# KiCad board Ethernet_switch_4out.kicad_pcb (continued)
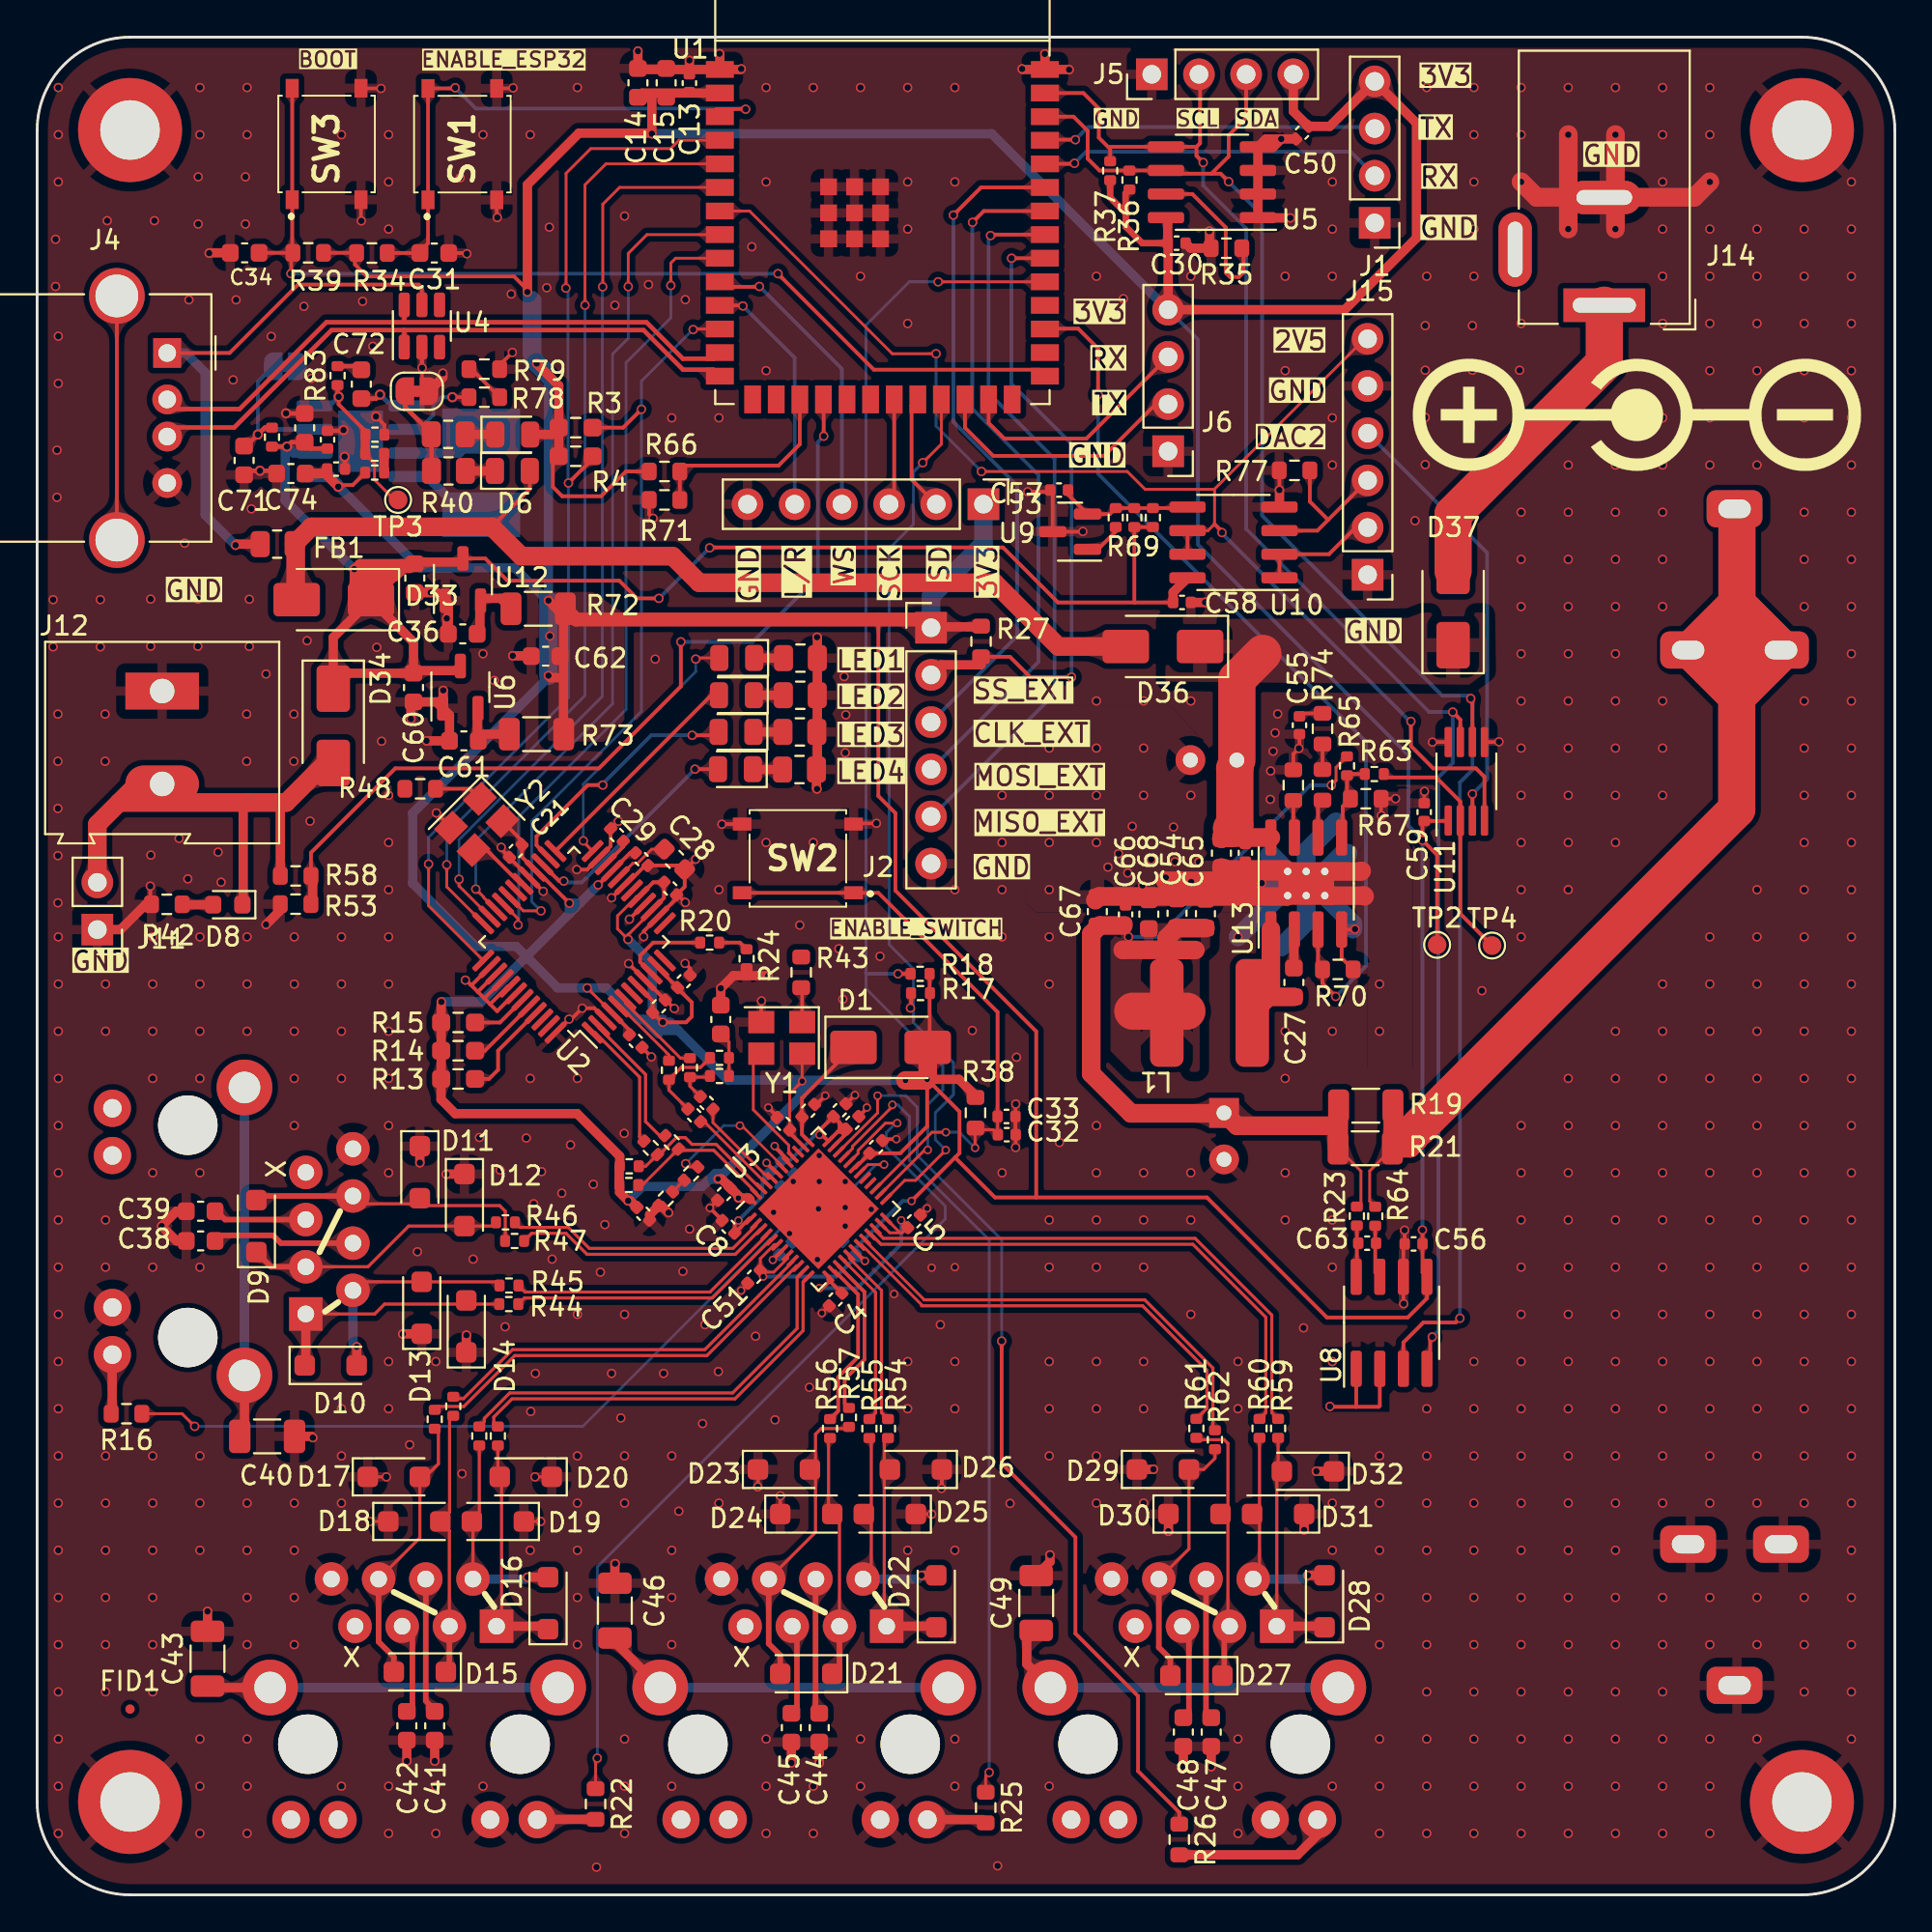
[diagram p0: board, top side]
## Routing (per net, layer and track width the routed paths; a pad name or vN(x,y) marks a point on that pad's centre or on a via; arc(x,y) is an arc through that point) (continued)
  Bottom w1: J3.1 50.94,72.73 48.12,69.91 J2.1 ; v1(27.52,65.63) v1(27.52,69.67)
  vias: v1(27.6,67.76)
+5V: length 54.7
  Top w0.2: 24.48,73.64 26.52,75.68 D6.2
  Top w1: D33.2 13.92,69.77 13.92,72.62 FB1.1 14.76,73.64 24.48,73.64 26.06,72.06 34.21,72.06 35.64,70.63 51.54,70.63 54.97,67.2 D36.2
/2V5_RAW: length 7.3
  Top w0.2: 61.92,74.7 61.87,74.65 R32.2 57.74,74.33 U9.2 55.49,75.38 C57.2
/Cell/Vin_buck: length 13.1
  Top w1: 66.41,56.92 63.81,56.92 C53.1 64.29,57.39
  Top w2: 65.98,66.83 64.58,65.43 C64.1 ; 64.29,57.39 64.47,57.57 64.47,60.61 64.46,60.62
GND: length 266.8
  Top w0.166: D18.1 v1(17.9,20.1) ; D20.1 v1(26.8,22.5) ; D17.1 v1(18.8,22.5) ; JP1.1 20.72,81.31 v1(20.72,82.2) ; D19.1 v1(27.1,20.1)
  Top w0.2: v1(25.62,97.27) 25.59,97.24 SW1.2 ; C10.1 45.58,40.68 v2(46.25,40.68) ; C17.1 34.42,53.64 33.43,52.65 U2.14 32.65,51.87 v1(32.65,51.58) ; C17.1 34.48,53.83 v1(34.89,53.42) ; C17.1 34.86,54.27 C28.1 ; v1(66.87,75.62) 66.87,76.67 R77.2 ; D24.1 40,21.47 v1(40.01,21.48) ; v2(42.42,43.02) 41.95,42.55 C16.1 ; Y1.2 38.98,48.11 v1(38.99,48.12) ; v1(30.92,53.67) 31.67,54.42 U2.19 31.74,54.42 32.73,55.41 C18.1 34.64,55.41 C28.1 ; 22.24,88.38 23.09,88.38 v1(23.13,88.34) ; R80.1 18.69,79.12 v3(18.24,79.58) ; v1(78.69,62.07) 78.68,62.06 77.91,62.06 ; v1(35.45,55.75) 34.89,55.19 C28.1 ; R76.2 67.62,61.42 v1(67.92,61.72) 67.95,61.75 C55.2 ; v1(29.05,55.19) 29.61,55.19 U2.23 30.87,56.45 C29.1 30.89,57.39 v1(31.29,57.79) ; U2.42 25.72,48.53 24.76,47.57 24.38,47.95 ; v2(44.02,43.05) 44.01,43.05 C6.1 ; C11.1 39.83,41.91 v2(39.36,42.38) ; v1(74.68,59.4) 74.67,59.39 C59.1 ; 71,26.27 69.61,26.27 v1(69.59,26.29) ; 71,26.27 72.22,26.27 72.28,26.33 72.28,28.32 ; 71,26.27 71,26.28 U8.1 ; 75.96,62.06 75.11,62.06 v1(75.11,62.05) ; v1(72.36,58.09) 72.34,58.11 R67.2 73.11,59 v1(73.12,59.01) ; v1(48.68,21.88) 48.7,21.9 D26.1 ; U2.16 32.72,53.36 v1(31.88,52.52) ; 23.72,48.61 23.33,49 ; 23.72,48.61 24.07,48.26 ; 23.72,48.61 24.7,49.59 U2.39 ; 23.33,49 23.33,49.01 23.43,49.01 U2.38 ; 23.33,49 23.09,49.24 v1(23.05,49.24) ; v1(56.29,73.39) 56.28,73.38 U9.3 54.67,75.48 C57.1 54.44,75.53 v1(53.32,75.53) ; U2.40 25.05,49.24 24.07,48.26 ; v1(18.51,97.24) 17.44,97.24 SW3.2 ; v2(37.89,32.53) 38.25,32.89 C51.1 ; U2.41 25.32,48.89 24.38,47.95 ; v1(6.09,54.3) 6.09,53.39 6.16,53.32 ; 24.07,48.26 24.38,47.95 ; v1(31.84,50.13) 31.84,50.13 U2.9 32.74,49.24 C20.1 33.84,48.17 v1(34.3,47.71) ; v1(52.67,40.23) 52.67,40.23 C32.1 52.66,40.94 C33.1 52.66,42.55 v1(52.68,42.57) ; v1(33.16,74.1) 32.94,74.31 R71.2 ; v1(27.24,54.02) U2.29 25.42,55.84 C21.1 24.98,56.29 v1(24.98,56.39) ; v2(47.91,36.95) 47.55,36.6 ; v1(25.58,83.03) 24.89,82.34 R79.2 ; v1(33.06,45.11) 32.56,45.61 C19.1 ; v1(17.45,90.11) 17.43,90.13 SW3.2 ; v1(45.18,57.68) 43.99,57.68 SW2.2 ; C3.1 44.66,42.33 v2(44.66,42.38) ; C4.1 42.63,31.71 v2(42.24,31.32) ; Y2.2 22.28,57.45 v1(21.49,58.24) ; v1(36.86,57.63) 36.87,57.64 SW2.2 ; U2.48 v1(28.63,47.14) 28.75,47.14 v1(29.34,47.73) 30,47.73 U2.3 ; R70.2 70.22,50.44 U13.4 70.92,51.97 v1(70.94,51.98) ; SW1.2 24.74,90.32 v1(24.77,90.29) ; D23.1 38.8,21.97 v1(38.79,21.96) ; v1(48.15,20.49) 48.14,20.5 D25.1 ; C8.1 36.87,36.32 v2(36.21,36.98) 36.62,37.39 C12.1 ; v1(73.56,31.82) 73.55,31.83 U8.6 73.55,34.97 C56.1 73.61,35.78 v1(73.61,35.78) ; v1(34.88,50.14) 35.15,49.87 C22.1
  Top w0.242: U4.2 20.71,82.21 v1(20.72,82.2) ; C70.2 13.41,79.75 v3(13.4,79.75) ; v3(16.55,77.42) 16.57,77.4 C73.1 ; C74.2 12.73,76.66 v3(11.99,76.66) 11.36,76.66 C71.2 ; C37.1 16.45,78.81 v3(16.49,78.85)
  Top w0.5: 40.6,8.14 v1(40.6,7.1) ; D30.1 60.9,19.58 v1(60.89,19.57) ; v1(31.11,17.83) 31.1,17.82 C46.2 ; v1(41.98,67.7) 42,67.68 R31.2 42,60.63 R28.2 41.95,59.56 v1(41.98,59.53) ; D14.1 23.1,30.12 v1(23.11,30.13) ; D11.1 v1(20.6,39.41) ; v1(19.68,30.19) 19.69,30.2 D13.1 ; v1(32.34,99.25) C14.2 32.39,98.26 U1.1 ; v1(20.12,63.3) 20.12,64.08 20.26,64.22 21.49,64.22 U6.1 ; v1(66.87,75.62) 66.88,75.61 U10.4 ; 65.72,94.09 66.55,94.09 v1(66.97,94.52) ; 65.72,94.09 66.14,94.52 C50.1 ; 65.72,94.09 65.72,90.28 65.73,90.27 v1(67.46,90.27) ; 10.31,88.39 9.28,88.39 v1(9.26,88.37) ; C26.1 v1(36.8,48.8) 37.48,49.48 39.33,49.48 v1(39.35,49.46) ; v1(33.99,36.72) 33.59,37.12 R11.1 32.97,36.61 C25.1 ; v1(14.84,24.61) 14.77,24.68 C40.2 ; C30.1 62.09,88.64 63.11,88.64 63.11,89.55 v1(63.1,89.56) ; D31.1 v1(68.2,19.64) ; v1(54.52,18.3) 54.52,17.93 C49.2 ; D29.1 60.08,22.9 v1(60.09,22.91) ; JP1.1 21.84,81.69 v1(21.84,81.91) ; D12.1 22.04,38.8 v1(22.03,38.79) ; U1.40 55.54,98.26 v1(55.55,98.25) ; U1.40 54.25,99.09 v1(54.24,99.1) ; U1.40 53.05,98.26 v1(53.02,98.29) ; U1.1 37.87,98.26 v1(37.9,98.29) ; U1.1 36.75,99.09 v1(36.73,99.11) ; 61.7,7.9 v1(61.7,6.9) ; 6.16,53.32 5.84,53.32 4.48,51.96 J11.1 ; v1(25.6,66.7) 26.58,66.7 C62.2 ; v1(21.19,70.11) C35.2 21.53,70.11 U12.1 22.14,69.5 22.14,67.88 22.05,67.97 v1(22.05,68.71) ; v1(21.86,64.84) 21.86,63.9 U6.1 ; 7.94,36.8 7.5,36.8 v1(6.7,36) 7.5,35.2 7.94,35.2 ; 19.9,8.24 v1(19.9,7.2) ; C43.2 v1(9.17,15.26) ; 13.04,53.3 13.04,52.95 v1(12.32,52.23) ; D32.1 v1(68.86,22.8) ; U6.1 22.19,63.51 C61.2 v1(20.96,62.12) ; C13.1 v1(35.11,98.75) ; C58.1 62.86,69.57 v1(62.87,69.58) ; 63.2,7.9 v1(63.2,6.9) ; 21.4,8.24 v1(21.4,7.2) ; 42.1,8.14 v1(42.1,7.1)
  Top w1: U13.9 71.42,53.79 71.46,53.75 ; 82.42,94.76 82.42,89.68 ; U13.9 67.27,53.75 57.16,53.75 56.96,53.54 ; C53.2 63.86,55.19 67.21,55.19 U13.9 65.82,55.09 65.18,54.45 65.04,54.59 60.71,54.59 ; U13.9 71.27,55.09 71.3,55.12 ; 79.88,92.22 80.72,91.38 89.2,91.38 90.04,92.22 ; 84.96,94.76 84.96,89.68
  Bottom w0.5: C2.1 40.74,38.44 v2(40.7,38.4) 40.43,38.13 C7.1
  Bottom w1: U13.9 70.3,56.07 70.57,56.07 ; U13.9 68.31,52.36 66.97,51.02 ; v1(82.42,94.75) v1(82.42,89.67) ; 70.83,51.98 70.83,52.28 U13.9 ; v1(90.04,92.21) 89.2,91.37 J14.2 80.72,91.37 v1(79.88,92.21) ; 69.92,57.77 68.31,56.17 U13.9 ; v1(65.92,54.46) 66.64,54.46 U13.9 66.86,53.79 v1(64.64,51.57) ; v1(84.96,94.75) v1(84.96,89.67) ; 66.32,55.97 66.44,55.97 U13.9
  vias: v1(0.86,69.72) v1(0.86,67.18) v1(0.99,89.12) v1(0.99,86.58) v1(1.14,97.29) v1(1.14,94.75) v1(1.14,92.21) v1(1.14,83.9) v1(1.14,81.36) v1(1.07,77.77) v1(1.07,75.23) v1(1.12,63.56) v1(1.12,61.02) v1(1.12,58.48) v1(1.12,55.94) v1(1.12,53.4) v1(1.14,51.57) v1(1.14,49.03) v1(1.14,46.49) v1(1.14,43.95) v1(1.14,41.41) v1(1.14,38.87) v1(1.14,36.33) v1(1.14,33.79) v1(1.14,31.25) v1(1.14,28.71) v1(1.14,26.17) v1(1.14,23.63) v1(1.14,21.09) v1(1.14,18.55) v1(1.14,16.01) v1(1.14,13.47) v1(1.14,10.93) v1(1.14,8.39) v1(1.14,5.85) v1(1.14,3.31) v1(3.4,69.72) v1(3.4,67.18) v1(3.66,63.56) v1(3.66,61.02) v1(3.68,49.03) v1(3.68,46.49) v1(3.68,36.33) v1(3.68,33.79) v1(3.68,23.63) v1(3.68,21.09) v1(3.68,18.55) v1(3.68,16.01) v1(3.68,13.47) v1(3.68,10.93) v1(3.77,90.12) v1(6.11,69.75) v1(6.11,67.21) v1(6.12,55.97) v1(6.22,51.57) v1(6.22,49.03) v1(6.22,46.49) v1(6.22,43.95) v1(6.22,38.87) v1(6.22,33.79) v1(6.22,23.63) v1(6.22,21.09) v1(6.22,18.55) v1(6.22,16.01) v1(6.22,13.47) v1(6.22,10.93) v1(6.31,90.12) v1(7.64,56.87) v1(7.94,72.76) v1(8.11,54.69) v1(8.17,85.86) v1(8.65,69.75) v1(8.65,67.21) v1(8.67,92.48) v1(8.67,89.94) v1(8.76,97.29) v1(8.76,94.75) v1(8.76,51.57) v1(8.76,49.03) v1(8.76,46.49) v1(8.76,43.95) v1(8.76,38.87) v1(8.76,33.79) v1(8.76,23.63) v1(8.76,21.09) v1(8.76,18.55) v1(8.76,8.39) v1(8.76,5.85) v1(8.76,3.31) v1(9.74,56.13) v1(9.9,54.51) v1(10.55,81.55) v1(10.71,85.86) v1(11.21,92.48) v1(11.21,89.94) v1(11.3,97.29) v1(11.3,94.75) v1(11.28,63.56) v1(11.28,61.02) v1(11.3,51.57) v1(11.3,49.03) v1(11.3,46.49) v1(11.3,21.09) v1(11.3,18.55) v1(11.3,16.01) v1(11.3,13.47) v1(11.3,8.39) v1(11.3,5.85) v1(11.3,3.31) v1(11.42,69.74) v1(11.42,67.2) v1(11.53,74.61) v1(12.32,65.72) v1(12.6,83.89) v1(13.82,63.56) v1(13.82,61.02) v1(13.84,51.57) v1(13.84,49.03) v1(13.84,46.49) v1(13.84,43.95) v1(13.84,41.41) v1(13.84,21.09) v1(13.84,18.55) v1(13.84,16.01) v1(13.84,13.47) v1(14.36,85.51) v1(14.53,67.51) v1(14.69,57.8) v1(14.76,81.63) v1(16.38,94.75) v1(16.38,51.57) v1(16.38,49.03) v1(16.38,46.49) v1(16.38,43.95) v1(16.38,26.17) v1(16.38,23.63) v1(16.38,21.09) v1(16.38,5.85) v1(17.52,85.78) v1(18.07,83.36) v1(18.28,67.15) v1(18.54,62.1) v1(18.92,94.75) v1(18.92,92.21) v1(18.92,89.67) v1(18.92,59.19) v1(18.92,56.65) v1(18.92,54.11) v1(18.92,51.57) v1(18.92,49.03) v1(18.92,46.49) v1(18.92,43.95) v1(18.92,41.41) v1(18.92,38.87) v1(18.92,28.71) v1(18.92,26.17) v1(18.92,5.85) v1(18.92,3.31) v1(20.05,24.23) v1(20.47,34.62) v1(21.46,28.71) v1(21.46,5.85) v1(21.46,3.31) v1(22.77,92.43) v1(22.87,22.67) v1(23.47,34.22) v1(23.81,40.77) v1(24,94.75) v1(24,66.81) v1(24,5.85) v1(24.6,65.37) v1(24.92,39.01) v1(25.19,30.58) v1(25.52,86.17) v1(26.33,40.74) v1(26.54,94.75) v1(26.54,43.95) v1(26.54,18.55) v1(26.57,26.02) v1(26.73,37.2) v1(26.82,28.07) v1(27.15,38.93) v1(27.43,86.51) v1(27.57,89.77) v1(27.72,34.22) v1(28.24,37.77) v1(28.71,40.37) v1(29.08,97.29) v1(29.08,43.95) v1(29.08,31.25) v1(29.08,23.63) v1(29.08,21.09) v1(29.08,18.55) v1(29.08,16.01) v1(29.08,13.47) v1(29.94,38.25) v1(30.11,1.49) v1(30.32,33.52) v1(30.56,36.08) v1(30.92,28.07) v1(31.1,85.57) v1(31.42,25.67) v1(31.62,90.37) v1(31.6,40.99) v1(31.62,31.25) v1(31.62,23.63) v1(31.62,21.09) v1(31.62,8.39) v1(31.62,5.85) v1(31.62,3.31) v1(32.91,86.68) v1(33.27,66.52) v1(33.72,28.07) v1(34.16,79.51) v1(34.16,23.63) v1(34.16,18.55) v1(34.16,16.01) v1(34.16,13.47) v1(34.16,5.85) v1(34.54,20.65) v1(34.76,33.56) v1(34.89,85.87) v1(35.12,35.84) v1(35.82,25.37) v1(35.95,30.69) v1(36.7,79.51) v1(36.7,54.11) v1(36.67,28.17) v1(36.7,21.09) v1(38.47,88.72) v1(38.67,30.07) v1(39.24,97.29) v1(39.24,92.21) v1(39.24,82.05) v1(39.24,56.65) v1(39.24,8.39) v1(39.24,5.85) v1(39.24,3.31) v1(39.72,25.57) v1(41.05,52.2) v1(41.57,27.32) v1(41.78,97.29) v1(41.78,56.65) v1(41.78,5.85) v1(41.78,3.31) v1(43.16,50.93) v1(43.44,65.58) v1(43.37,48.21) v1(43.53,63.52) v1(43.5,61.48) v1(44.32,97.29) v1(44.32,87.13) v1(44.32,8.39) v1(44.32,5.85) v1(45.37,50.52) v1(46.86,97.29) v1(46.86,92.21) v1(46.86,89.67) v1(46.86,84.59) v1(46.86,28.71) v1(46.86,26.17) v1(46.86,18.55) v1(48.62,30.69) v1(49.4,97.29) v1(49.4,92.21) v1(49.4,54.11) v1(49.4,28.71) v1(49.4,26.17) v1(49.4,18.55) v1(49.4,8.39) v1(49.4,5.85) v1(50.34,46.53) v1(51.7,1.56) v1(51.94,59.19) v1(51.94,56.65) v1(51.94,54.11) v1(51.94,51.57) v1(51.94,38.87) v1(52.37,21.07) v1(52.72,45.09) v1(54.48,61.73) v1(54.48,59.19) v1(54.48,56.65) v1(54.48,54.11) v1(54.48,51.57) v1(54.48,49.03) v1(54.48,36.33) v1(54.48,33.79) v1(54.48,28.71) v1(54.48,26.17) v1(54.48,23.63) v1(54.48,5.85) v1(55.03,40.5) v1(57.02,87.13) v1(57.02,64.27) v1(57.02,61.73) v1(57.02,59.19) v1(57.02,56.65) v1(57.02,41.41) v1(57.02,38.87) v1(57.02,36.33) v1(57.02,33.79) v1(57.02,28.71) v1(57.02,26.17) v1(57.02,23.63) v1(57.02,21.09) v1(57.64,55.32) v1(58.21,56.05) v1(58.47,85.92) v1(58.71,55.01) v1(58.95,57.52) v1(59.5,54.34) v1(59.56,64.27) v1(59.56,61.73) v1(59.56,59.19) v1(59.56,38.87) v1(59.56,36.33) v1(59.56,33.79) v1(59.56,28.71) v1(59.56,26.17) v1(59.56,21.09) v1(59.97,55.73) v1(60.75,54.76) v1(61.17,57.48) v1(61.25,55.61) v1(62.1,87.13) v1(62.1,64.27) v1(62.1,59.19) v1(62.12,54.52) v1(62.1,38.87) v1(62.1,36.33) v1(62.1,31.25) v1(62.54,55.6) v1(64.64,28.71) v1(64.64,26.17) v1(64.64,8.39) v1(64.64,5.85) v1(64.64,3.31) v1(66.4,60.5) v1(66.38,58.97) v1(66.53,61.56) v1(66.64,62.55) v1(66.78,63.57) v1(67.18,87.13) v1(67.18,82.05) v1(67.18,46.49) v1(67.18,43.95) v1(67.18,38.87) v1(67.18,36.33) v1(68.17,30.52) v1(69.72,92.21) v1(69.72,89.67) v1(69.72,87.13) v1(69.72,79.51) v1(69.72,76.97) v1(69.72,46.49) v1(69.72,36.33) v1(69.72,33.79) v1(69.72,28.71) v1(69.72,21.09) v1(69.72,18.55) v1(69.72,5.85) v1(72.26,49.03) v1(72.26,46.49) v1(72.26,23.63) v1(72.26,21.09) v1(72.26,18.55) v1(72.26,16.01) v1(72.26,13.47) v1(72.26,8.39) v1(72.26,5.85) v1(72.26,3.31) v1(74.17,73.97) v1(74.72,84.47) v1(74.72,82.07) v1(74.72,79.53) v1(74.72,76.99) v1(74.8,97.29) v1(74.8,87.13) v1(74.8,26.17) v1(74.8,23.63) v1(74.8,21.09) v1(74.8,18.55) v1(74.8,16.01) v1(74.8,13.47) v1(74.8,10.93) v1(74.8,8.39) v1(74.8,5.85) v1(74.8,3.31) v1(77.34,97.29) v1(77.34,94.75) v1(77.34,92.21) v1(77.34,89.67) v1(77.34,87.13) v1(77.26,84.47) v1(77.26,82.07) v1(77.26,79.53) v1(77.34,28.71) v1(77.34,26.17) v1(77.34,23.63) v1(77.34,21.09) v1(77.34,18.55) v1(77.34,16.01) v1(77.34,13.47) v1(77.34,10.93) v1(77.34,8.39) v1(77.34,5.85) v1(77.34,3.31) v1(77.77,48.67) v1(79.8,82.07) v1(79.88,97.29) v1(79.88,94.75) v1(79.88,84.59) v1(79.88,74.43) v1(79.88,71.89) v1(79.88,69.35) v1(79.88,66.81) v1(79.88,64.27) v1(79.88,61.73) v1(79.88,59.19) v1(79.88,56.65) v1(79.88,54.11) v1(79.88,51.57) v1(79.88,41.41) v1(79.88,38.87) v1(79.88,36.33) v1(79.88,33.79) v1(79.88,31.25) v1(79.88,28.71) v1(79.88,26.17) v1(79.88,23.63) v1(79.88,21.09) v1(79.88,18.55) v1(79.88,16.01) v1(79.88,13.47) v1(79.88,10.93) v1(79.88,8.39) v1(79.88,5.85) v1(79.88,3.31) v1(82.42,97.29) v1(82.42,76.97) v1(82.42,74.43) v1(82.42,71.89) v1(82.42,69.35) v1(82.42,66.81) v1(82.42,64.27) v1(82.42,61.73) v1(82.42,59.19) v1(82.42,56.65) v1(82.42,54.11) v1(82.42,43.95) v1(82.42,41.41) v1(82.42,38.87) v1(82.42,36.33) v1(82.42,33.79) v1(82.42,31.25) v1(82.42,28.71) v1(82.42,26.17) v1(82.42,23.63) v1(82.42,21.09) v1(82.42,18.55) v1(82.42,16.01) v1(82.42,13.47) v1(82.42,10.93) v1(82.42,8.39) v1(82.42,5.85) v1(82.42,3.31) v1(84.96,97.29) v1(84.96,79.51) v1(84.96,76.97) v1(84.96,74.43) v1(84.96,71.89) v1(84.96,69.35) v1(84.96,66.81) v1(84.96,64.27) v1(84.96,61.73) v1(84.96,59.19) v1(84.96,56.65) v1(84.96,46.49) v1(84.96,43.95) v1(84.96,41.41) v1(84.96,38.87) v1(84.96,36.33) v1(84.96,33.79) v1(84.96,31.25) v1(84.96,28.71) v1(84.96,26.17) v1(84.96,23.63) v1(84.96,21.09) v1(84.96,18.55) v1(84.96,16.01) v1(84.96,13.47) v1(84.96,10.93) v1(84.96,8.39) v1(84.96,5.85) v1(84.96,3.31) v1(87.5,97.29) v1(87.5,94.75) v1(87.5,92.21) v1(87.5,89.67) v1(87.5,87.13) v1(87.5,84.59) v1(87.5,82.05) v1(87.5,79.51) v1(87.5,76.97) v1(87.5,74.43) v1(87.5,71.89) v1(87.5,69.35) v1(87.5,64.27) v1(87.5,61.73) v1(87.5,59.19) v1(87.5,49.03) v1(87.5,46.49) v1(87.5,43.95) v1(87.5,41.41) v1(87.5,38.87) v1(87.5,36.33) v1(87.5,33.79) v1(87.5,31.25) v1(87.5,28.71) v1(87.5,26.17) v1(87.5,23.63) v1(87.5,21.09) v1(87.5,16.01) v1(87.5,13.47) v1(87.5,10.93) v1(87.5,8.39) v1(87.5,5.85) v1(87.5,3.31) v1(90.04,97.29) v1(90.04,94.75) v1(90.04,89.67) v1(90.04,87.13) v1(90.04,84.59) v1(90.04,82.05) v1(90.04,79.51) v1(90.04,76.97) v1(90.04,51.57) v1(90.04,49.03) v1(90.04,46.49) v1(90.04,43.95) v1(90.04,41.41) v1(90.04,38.87) v1(90.04,36.33) v1(90.04,33.79) v1(90.04,31.25) v1(90.04,28.71) v1(90.04,26.17) v1(90.04,23.63) v1(90.04,21.09) v1(90.04,16.01) v1(90.04,13.47) v1(90.04,8.39) v1(90.04,5.85) v1(90.04,3.31) v1(92.58,89.67) v1(92.58,87.13) v1(92.58,84.59) v1(92.58,82.05) v1(92.58,79.51) v1(92.58,76.97) v1(92.58,54.11) v1(92.58,51.57) v1(92.58,49.03) v1(92.58,46.49) v1(92.58,43.95) v1(92.58,41.41) v1(92.58,38.87) v1(92.58,36.33) v1(92.58,33.79) v1(92.58,31.25) v1(92.58,28.71) v1(92.58,26.17) v1(92.58,23.63) v1(92.58,21.09) v1(92.58,16.01) v1(92.58,13.47) v1(92.58,8.39) v1(95.12,89.67) v1(95.12,87.13) v1(95.12,84.59) v1(95.12,82.05) v1(95.12,79.51) v1(95.12,76.97) v1(95.12,74.43) v1(95.12,71.89) v1(95.12,69.35) v1(95.12,64.27) v1(95.12,61.73) v1(95.12,59.19) v1(95.12,56.65) v1(95.12,54.11) v1(95.12,51.57) v1(95.12,49.03) v1(95.12,46.49) v1(95.12,43.95) v1(95.12,41.41) v1(95.12,38.87) v1(95.12,36.33) v1(95.12,33.79) v1(95.12,31.25) v1(95.12,28.71) v1(95.12,26.17) v1(95.12,23.63) v1(95.12,21.09) v1(95.12,16.01) v1(95.12,13.47) v1(95.12,10.93) v1(97.66,92.21) v1(97.66,89.67) v1(97.66,87.13) v1(97.66,84.59) v1(97.66,82.05) v1(97.66,79.51) v1(97.66,76.97) v1(97.66,74.43) v1(97.66,71.89) v1(97.66,69.35) v1(97.66,66.81) v1(97.66,64.27) v1(97.66,61.73) v1(97.66,59.19) v1(97.66,56.65) v1(97.66,54.11) v1(97.66,51.57) v1(97.66,49.03) v1(97.66,46.49) v1(97.66,43.95) v1(97.66,41.41) v1(97.66,38.87) v1(97.66,36.33) v1(97.66,33.79) v1(97.66,31.25) v1(97.66,28.71) v1(97.66,26.17) v1(97.66,23.63) v1(97.66,21.09) v1(97.66,18.55) v1(97.66,16.01) v1(97.66,13.47) v1(97.66,10.93) v1(97.66,8.39) v2(39.64,36.74) v2(40.5,35.6) v2(42,34.2) v2(42.1,39.8) v2(42.1,38.4) v2(42.06,36.93) v2(43.5,38.4) v2(43.5,37) v2(43.5,36) v2(44.9,36.9) v2(46.13,32.34) v2(48.15,33.76) v2(49.4,33.79)
